# Altium PCB TinyHawk_PCB.PcbDoc (part 2 of 6) (continued)
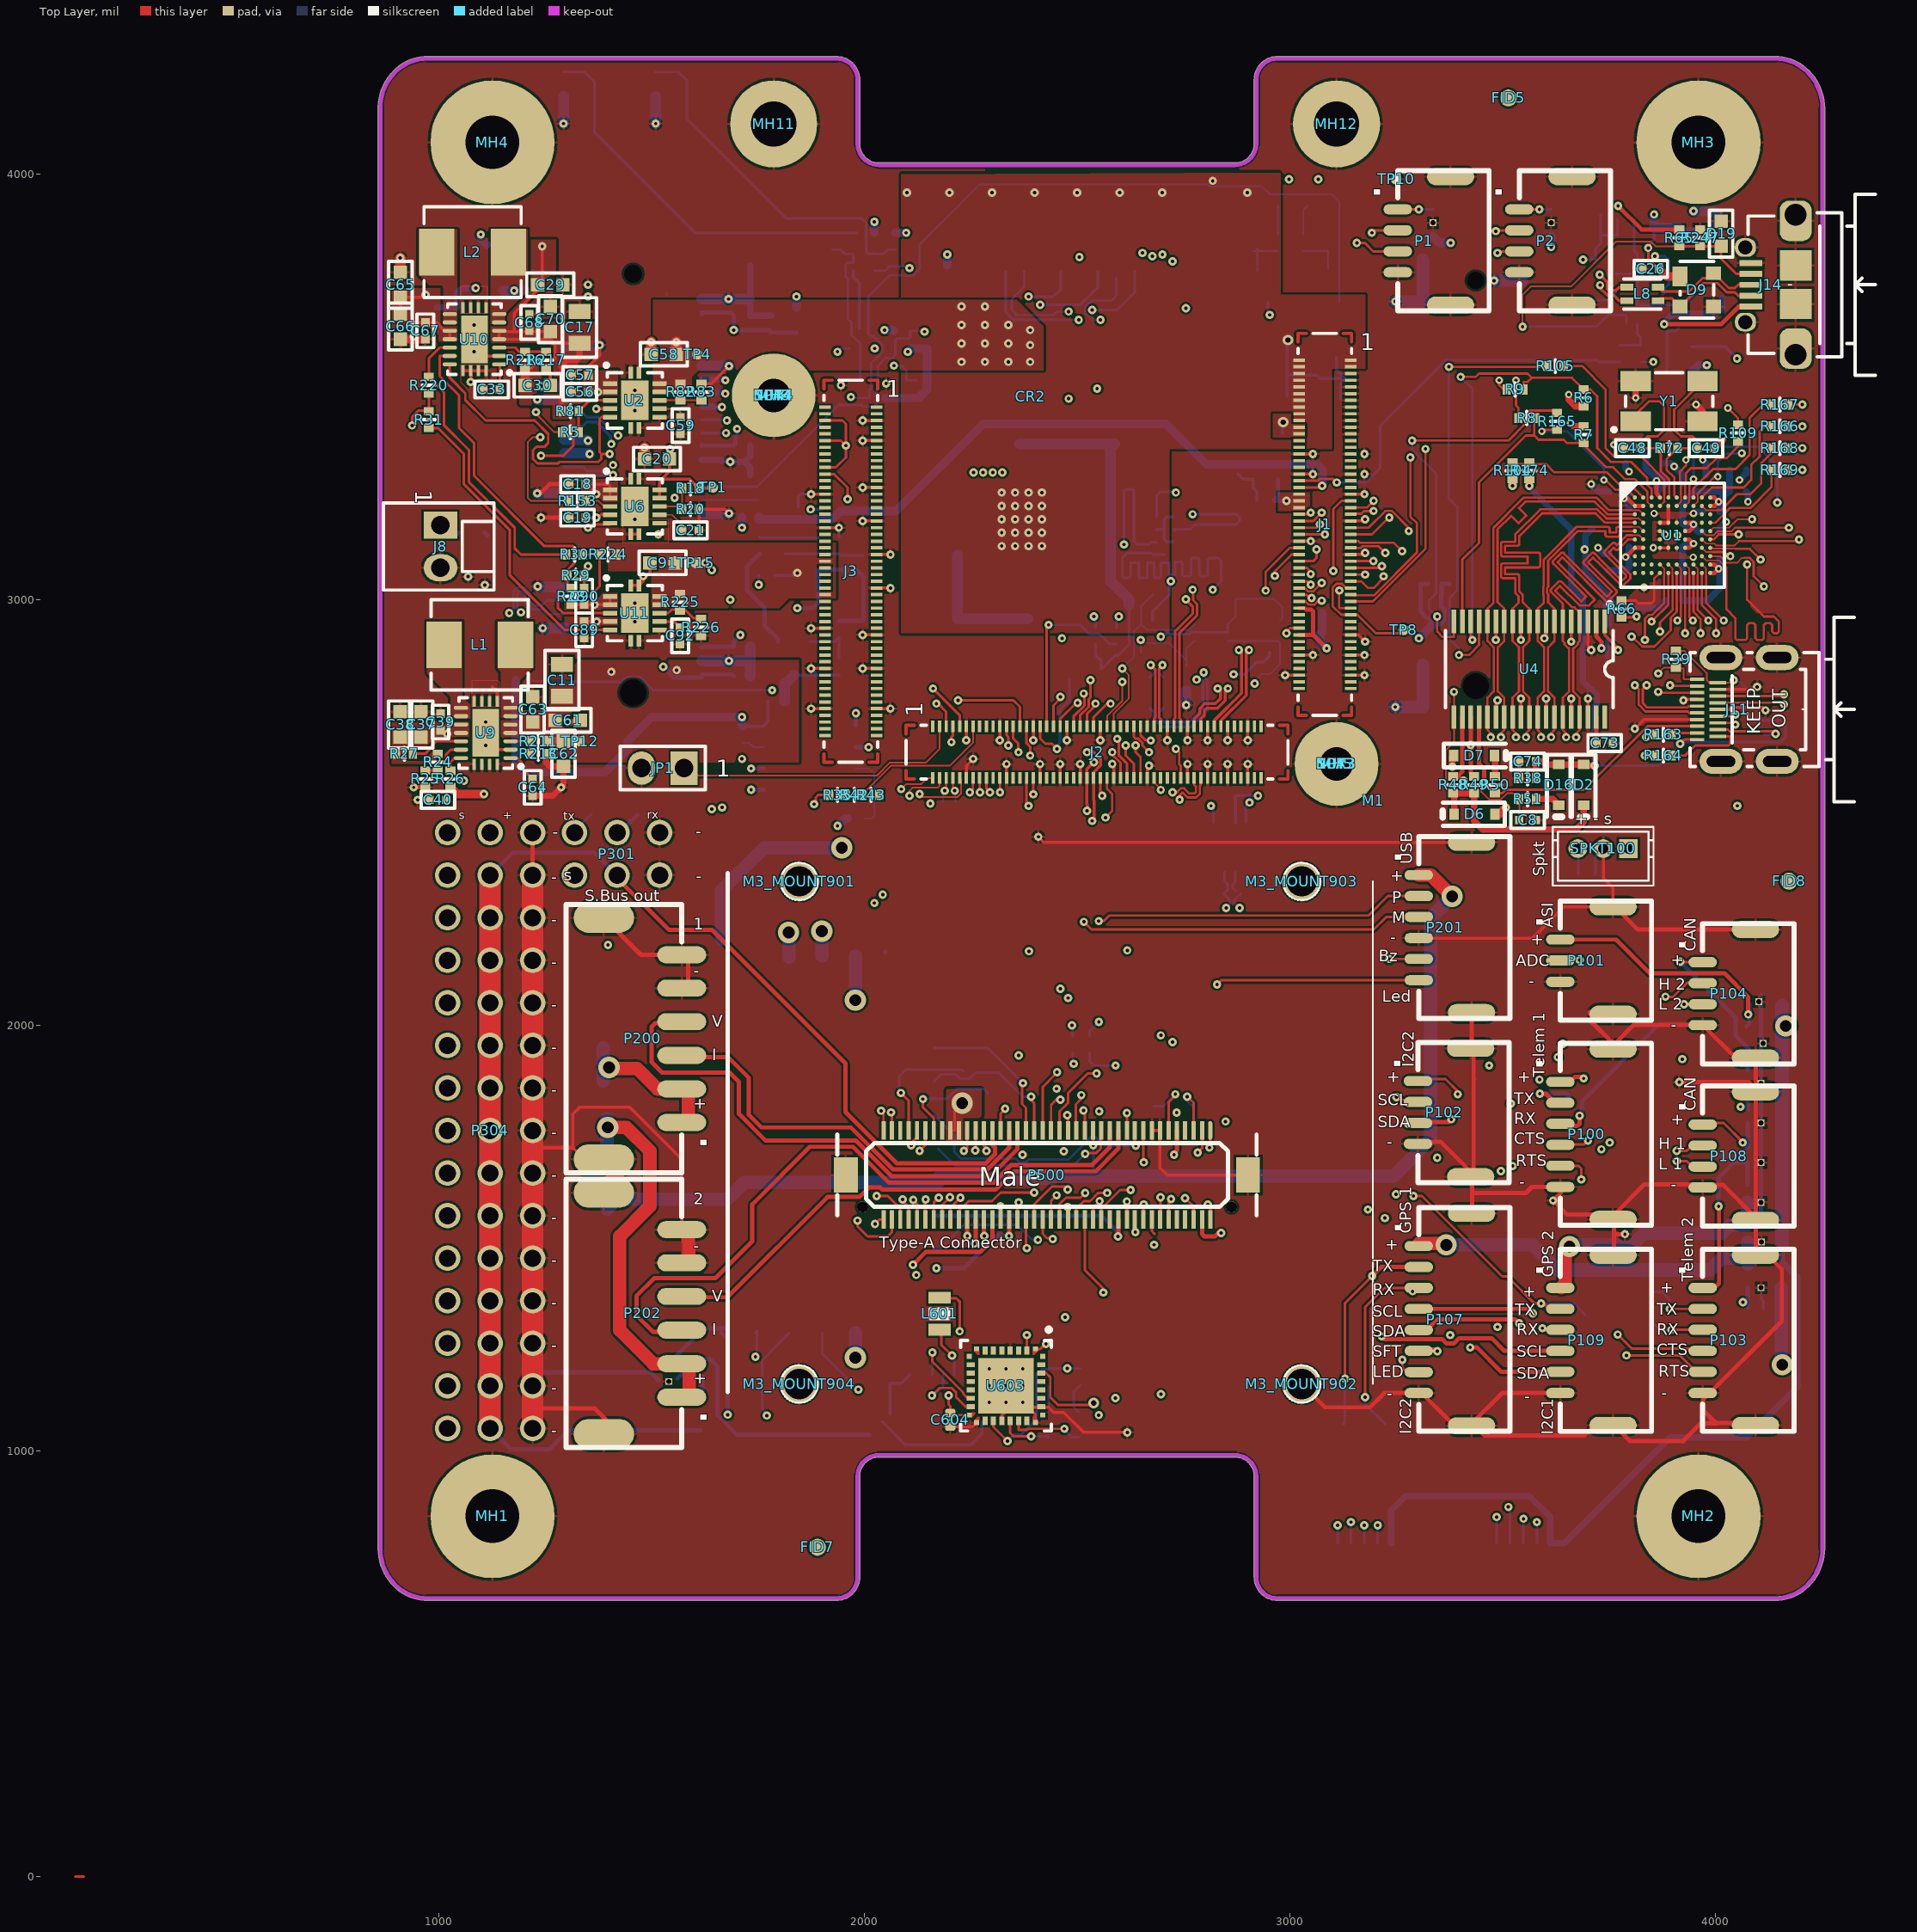
[diagram p0: Top Layer view]
## Nets (pads, with @x,y where several pads share a name; then routed paths per layer and width w, separated by ;. In a path a pad name is that pad's centre, name@x,y a point inside that pad or via, vN(x,y) a via of type N, cw(c..) or ccw(c..) an arc to the next point about the centre after c; other vN are vias at no path point) (continued)
+3V0_ALWAYS_TP: J1.69 J1.77 TP8.1 | length 290.1
  Top Layer w5.4: J1.69@3142.91,3027.56 3131.77,3027.56 3131.77,3028.18 3122.66,3037.28 3109.79,3037.28 3100.68,3028.18 3100.68,2985.26 3121.38,2964.57 J1.77@3142.91,2964.57 3159.12,2964.57 3202.43,2921.26 3259.84,2921.26 TP8.1@3267.72,2929.13
+3V3: C12.1 C13.1 C17.1 C29.1 C30.1 C68.1 C70.1 C158.1 C171.1 C176.1 C185.1 C203.1 C231.1 C3004.P$1 D5.2 D7.2 D14.2 FB4.2 FB8.2 FB9.1 J1.22 J1.24 J1.42 J1.44 J1.46 J15.4 L4.P$1 L7.P$1 Q6.5 Q8.2 R6.2 R7.2 R10.2 R11.2 R12.2 R13.2 R37.2 R54.2 R65.2 R70.2 R81.2 R117.2 R140.2 R147.2 R201.2 R204.1 R206.2 R216.2 TP13.1 U8.8 U10.4 U10.5 U20.5 U21.5 U3004.3 | length 4414.2
  Top Layer w7.09: 1177.17,3631.89 1177.17,3673.23 1244.09,3740.16 1243.06,3741.19 v1(1243.06,3830.22) 1243.06,3753 1244.09,3751.97 C29.1@1232.28,3740.16 ; R216.2@1202.76,3543.31 1216.95,3543.31 1236.24,3562.6 1266.91,3562.6 1273.23,3568.92 1273.23,3600.79 1271.78,3602.24 ; C70.1@1261.81,3629.92 1143.7,3629.92 U10.5@1141.73,3631.89 U10.4@1141.73,3612.2 1261.81,3612.2 1271.78,3602.24 ; C17.1@1330.71,3602.36 1330.58,3602.24 1271.78,3602.24
  Top Layer w10: 1287.4,3551.18 1288.46,3550.12 1288.46,3482.61 1287.4,3481.55 1287.4,3444.88 R81.2@1289.17,3443.12 ; v1(3771.65,3925.2) 3826.77,3870.08 R65.2@3915.35,3870.08
  Top Layer w15: 1287.4,3551.18 1299.21,3562.99 1322.83,3562.99 1330.71,3570.87 C17.1@1330.71,3602.36 ; R81.2@1289.17,3443.12 R81.2@1289.37,3442.91 ; v1(3381.89,2607.33) 3381.89,2630.68 D7.2@3385.07,2633.86
  Top Layer w15.75: v2(3655.51,3482.28) 3655.51,3470.47 3671.26,3454.72 R6.2@3690.94,3454.72 ; v2(3659.45,3415.35) 3667.32,3407.48 R7.2@3690.94,3407.48
  Top Layer w20: C30.1@1202.76,3503.94 R216.2@1202.76,3543.31
  Signal Layer 1 w30: v1(3303.14,2909.44) 3330.71,2881.88 3330.71,2658.51 v1(3381.89,2607.33)
  Power w20: 1712.6,2704.72 v1(1712.6,2724.41) ; 2092.36,3580.54 2094.49,3582.68 v1(2102.36,3582.68) ; v1(3377.95,3838.58) v1@3378.73,3837.8
  Bottom Layer w7.09: R204.1@1714.57,2702.76 1762.99,2702.76 U8.8@1763.78,2703.54 1773.62,2713.39 C203.1@1773.62,2761.81 ; v1(2539.36,2960.62) 2543.31,2956.68 R201.2@2543.31,2935.04 ; Q8.2@2677.17,2950.79 2677.17,2972.44 R54.2@2716.54,3011.81 2716.54,3039.37 v1(2720.47,3043.31) ; v1(2868.11,2824.8) R70.2@2893.7,2824.8 2922.13,2853.24 2937.43,2853.24 2951.85,2867.66 Q6.5@2951.85,2875.98 ; U3004.3@2872.05,2476.35 2872.05,2533.46 C3004.P$1@2870.08,2535.43 2874.65,2540.01 2924.56,2540.01 v1(2925.2,2539.37) ; C12.1@2982.28,3391.73 2982.28,3415.35 v5(2984.25,3417.32)
  Bottom Layer w10: C231.1@2972.44,3283.46 2972.44,3244.09 C13.1@2962.6,3234.25 2964.57,3232.28 v1(2992.13,3232.28) ; R13.2@3326.77,3037.4 3306.96,3037.4 3306.96,2972.44 3308.2,2972.44 3337.85,2942.79 3353.85,2942.79 3364.3,2953.24 3364.3,2976.13 3356.17,2984.25 3356.17,3011.19 3357.16,3012.17 3357.16,3037.4 R12.2@3375.98,3037.4
  Bottom Layer w15: TP13.1@994.09,3687.01 FB9.1@1043.31,3687.01 1043.31,3720.47 1055.12,3732.28 v1(1086.61,3732.28)
  Bottom Layer w15.75: FB8.2@3710.63,3167.32 3694.88,3151.57 3694.88,3062.99 C185.1@3744.09,3013.78 C185.1@3744.09,3008.39 ; C185.1@3746.06,3006.42 3771.14,2981.35 3867.17,2981.35 FB4.2@3883.86,2998.03
  Bottom Layer w20: R37.2@1181.1,2811.02 1181.1,2618.11 1204.72,2594.49 1389.76,2594.49 1444.88,2649.61 1444.88,2669.29 1500,2724.41 v1(1712.6,2724.41) 1712.6,2704.72 R204.1@1714.57,2702.76 ; v1(1712.6,3169.29) R10.2@1712.6,3194.88 ; v1(1937.01,2468.5) 1954.72,2486.22 R206.2@1960.63,2486.22 ; R140.2@2023.62,3862.2 v1(2023.62,3887.8) ; v1(2047.24,3633.86) 2066.93,3633.86 C171.1@2068.9,3631.89 ; R117.2@2049.21,3474.41 2127.81,3474.41 2147.8,3494.4 2147.8,3590.55 2110.24,3590.55 v1(2102.36,3582.68) ; R147.2@2072.83,3862.2 v1(2098.43,3862.2) ; C158.1@2194.88,3785.43 v1(2194.88,3811.02) ; 3320.46,2926.76 v1(3303.14,2909.44) 3304.51,2909.44 3334.92,2939.86 ; L4.P$1@3336.61,3854.33 3352.36,3838.58 v1(3377.95,3838.58) ; v1(3614.17,3828.74) L7.P$1@3614.17,3854.33 ; C185.1@3744.09,3008.39 3746.06,3006.42 R11.2@3746.06,2942.91
  other v1: 3692.91,3118.11 2024.37,3590.42 2505.51,3805.12 2998.03,3988.19 3066.93,3988.19
+3V3_DVDDIO: C47.1 C50.1 C52.2 C53.2 C54.2 FB4.1 U1.F7 U1.G7 U1.J10 U1.K10 | length 420.4
  Top Layer w9.84: U1.G7@3929.13,3122.05 3938.98,3122.05 v2(3948.82,3131.89) 3938.98,3141.73 U1.F7@3929.13,3141.73 ; U1.K10@3988.19,3062.99 3998.03,3062.99 v2(4007.87,3072.84) 3998.03,3082.68 U1.J10@3988.19,3082.68
  Bottom Layer w15.75: v2(3948.82,3131.89) 3931.1,3131.89 C50.1@3923.23,3124.02 C54.2@3923.23,3045.28 FB4.1@3923.23,2998.03 3982.28,2998.03 4009.84,3025.59 C52.2@4009.84,3049.21 4009.84,3070.87 v2(4007.87,3072.84) 4009.84,3074.8 C47.1@4009.84,3096.46
+3V3_HDMI_IN: C72.1 R11.1 U4.2 | length 121.8
  Top Layer w10: U4.2@3720.47,2948.82 3720.47,2913.39 3732.28,2901.57 v1(3732.28,2885.83)
  Bottom Layer w10: v1(3732.28,2885.83) 3744.09,2885.83 3746.06,2883.86 ; C72.1@3746.06,2864.17 3746.06,2883.86 ; R11.1@3746.06,2903.54 3746.06,2883.86
+3V3_MPCIE: C257.1 C258.1 C263.1 C264.1 C265.1 C266.1 C267.1 C268.1 FB9.2 J13.2 J13.24 J13.39 J13.41 J13.52 | length 211.2
  Signal Layer 1 w10: v1(1527.56,2842.52) v1@1533.59,2848.55 ; v1@1551.18,3242.67 v1(1554.21,3239.63)
  Bottom Layer w4: 1535.43,3716.54 1535.43,3720.47
  Bottom Layer w10: v1(1527.56,2842.52) 1531.5,2846.46 1541.21,2836.74 1541.21,2827.26 1551.66,2816.8 1618.11,2816.8 J13.2@1618.11,2824.8 1688.98,2824.8 C264.1@1692.91,2820.87
+3V3_TVDD: C183.1 C184.1 C187.2 C188.2 FB8.1 U1.B1 U1.B2 | length 109.6
  Top Layer w9.84: v2(3785.43,3238.19) 3793.31,3238.19 U1.B1@3811.02,3220.47 U1.B2@3830.71,3220.47
  Bottom Layer w15.75: C183.1@3797.24,3214.57 3797.24,3226.38 v2(3785.43,3238.19) 3797.24,3250 C184.1@3797.24,3261.81
+5V: C11.1 C15.1 C16.1 C40.1 C61.1 C62.1 C63.1 C71.1 D6.2 FB6.1 FB7.1 FB24.1 J1.76 J1.84 R26.2 R104.1 R211.2 TP12.1 U4.1 U9.4 U9.5 | length 722
  Top Layer w7.09: C40.1@1017.4,2529.85 1017.4,2549.54 R26.2@1027.24,2559.38 ; U4.1@3740.16,2948.82 3740.16,2917.32 3771.65,2885.83 v1(3771.65,2881.89)
  Top Layer w10: J1.84@3021.65,2917.32 3055.12,2917.32 ; J1.76@3021.65,2980.32 3034.94,2980.32 3038.87,2976.38 3051.18,2976.38 3055.12,2972.44 3055.12,2917.32 ; v1(3086.61,2885.83) 3055.12,2917.32
  Top Layer w20: R26.2@1027.24,2559.38 1043.32,2543.31 v1(1106.3,2543.31) ; R211.2@1253.62,2667.65 C62.1@1292.99,2667.65 ; D6.2@3482.28,2496.06 3492.13,2496.06 v1(3507.87,2511.81) ; v1(3523.62,3267.72) R104.1@3523.62,3283.46
  Power w20: v1(1559.06,2834.65) v1@1560.25,2833.45
  Bottom Layer w20: v1(1098.43,3858.27) 1098.43,3848.43 FB7.1@1112.2,3834.65 ; C16.1@3076.61,2969.1 3076.61,2925.04 C15.1@3070.87,2919.29 3070.87,2901.57 v1(3086.61,2885.83) ; FB6.1@3944.88,3535.43 3960.62,3551.17 v1(3980.31,3551.17)
  Bottom Layer w25: v1(3948.82,3913.39) 3996.06,3913.39 4005.91,3903.54 FB24.1@4005.91,3864.17
  other v1: 1405.51,2830.71
+5V_FTDI: R55.2
+5V_HDMI_IN_CON: C74.1 D2.2 D16.2 J11.19 R38.2 R40.2 R174.1 | length 1572.4
  Top Layer w6: v1(3917.32,2661.42) 3927.17,2671.26 J11.19@3957.68,2671.26
  Top Layer w15: v1(3562.99,3267.72) R174.1@3562.99,3283.46 ; R38.2@3578.74,2580.71 C74.1@3578.74,2620.08 3596.46,2620.08 3603.57,2612.96 D16.2@3631.89,2612.96 D2.2@3690.94,2612.96 3693.67,2610.24 v1(3716.54,2610.24)
  Bottom Layer w6: v1(3716.54,2610.24) 3866.14,2610.24 v1(3917.32,2661.42) 3921.17,2665.26 4153.45,2665.26 4165.35,2677.17 4165.35,2704.72 4153.54,2716.54 4090.55,2716.54 R40.2@4074.8,2732.28
  Bottom Layer w15: v1(3562.99,3267.72) 3562.99,3263.78 3661.42,3165.35 3661.42,3029.46 3688.31,3002.57 3688.31,2808.96 3721.13,2776.14 3721.13,2754.7 3716.54,2750.1 v1(3716.54,2610.24)
+5V_HDMI_IN_I2C: D2.1 D6.1 R48.2 R49.2 | length 476.6
  Top Layer w15: D6.1@3386.28,2496.06 3386.28,2542.85 R48.2@3383.86,2545.28 R49.2@3433.07,2545.28 3433.07,2480.32 3453.08,2460.3 3672.9,2460.3 3690.94,2478.35 D2.1@3690.94,2516.96
+5V_MPCIE: C60.1 C69.1 FB7.2 J13.49 J13.51 | length 0
+5V_USB_OTG: C26.1 C106.1 D9.1 FB24.2 J14.1 Q2.3 | length 697.2
  Top Layer w6: v1(3842.51,3826.76) 3842.43,3826.68 3842.43,3800.52 3865.39,3777.56 C26.1@3868.11,3777.56
  Top Layer w10: v1(3879.9,3647.52) 4013.67,3647.52 4055.12,3688.98 J14.1@4083.66,3688.98
  Top Layer w20: C26.1@3868.11,3777.56 3885.83,3759.84 D9.1@3917.32,3759.84
  Bottom Layer w6: v1(3842.51,3826.76) 3842.51,3832.67 3856.3,3846.46 Q2.3@3856.3,3874.02 Q2.3@3856.3,3889.76
  Bottom Layer w14: v1(3879.9,3647.52) 3879.9,3651.92 3901.21,3673.23 4003.94,3673.23 4015.75,3685.04 C106.1@4015.75,3708.66
  Bottom Layer w20: Q2.3@3856.3,3889.76 v1(3856.3,3905.51)
  Bottom Layer w25: Q2.3@3856.3,3874.02 3913.39,3874.02 3925.2,3862.2 3944.88,3862.2 FB24.2@3946.85,3864.17
+5V_USB_OTG_B: FB6.2 FB12.2 Q1.3 | length 126.3
  Bottom Layer w6: FB6.2@3885.83,3535.43 FB12.2@3885.83,3594.49 3885.83,3631.68 3907.27,3631.68 Q1.3@3913.39,3637.8
+5V_USB_OTG_Q: C230.2 Q1.2 Q2.2 R214.2 U16.5 | length 397.4
  Bottom Layer w6: C230.2@3765.75,3765.75 3816.93,3765.75 ; R214.2@3809.06,3893.7 3809.06,3820.87 3816.93,3812.99 3816.93,3765.75 ; Q1.2@3950.79,3716.54 3927.07,3692.82 3819.67,3692.82 3816.93,3695.56 U16.5@3816.93,3722.44 3816.93,3765.75
+V_INPUT: C10.1 C79.1 J8.1 Q7.1 Q7.2 Q7.3 Q10.2 R100.2 R292.2 | length 463.7
  Bottom Layer w10: J8.1@1000,3149.21 1038.98,3149.21 1047.24,3157.48 ; C10.1@1108.27,3157.48 C10.1@1114.3,3151.45 ; v1(1842.52,2980.32) R100.2@1879.92,2980.32 1891.73,2992.13 Q10.2@1891.73,3070.87 1981.69,3070.87 Q7.3@1998.03,3054.53 Q7.2@1998.03,3004.53 Q7.1@1998.03,2954.53 1994.29,2950.79 R292.2@1940.94,2950.79
  other v1: 1685.04,3000
"+VCC FTDI": C605.P$1 L601.P$2 R607.P$2 R608.P$2 U603.19 | length 792.5
  Top Layer w5.91: L601.P$2@2177,1360 2178.73,1358.27 2216.54,1358.27 2224,1350.8 v1(2224,1281) ; U603.19@2303.47,1070.32 2303.47,1056.28 v1(2336.62,1023.13)
  Signal Layer 2 w10: v1(2336.62,1023.13) v1@2338.76,1021
  Signal Layer 1 w5.91: v1(2224,1281) 2224,1135.76 v1(2336.62,1023.13)
  Bottom Layer w5.91: v1(2336.62,1023.13) 2351.74,1038.25 C605.P$1@2356,1038.25 2368.96,1038.25 2405.51,1074.8 2405.51,1181.1 2416.41,1192 R608.P$2@2433,1192 2435,1194 v1(2477,1194) R607.P$2@2507,1194
+VIN: C1.1 C2.1 C3.1 C4.1 C5.1 C6.1 C7.1 C18.1 C19.1 C37.1 C38.1 C39.1 C56.1 C57.1 C65.1 C66.1 C67.1 C89.1 C90.1 C381.1 D1.3 FB12.1 J1.1 J1.2 J1.3 J1.4 J1.6 J1.8 J1.10 J1.12 J1.14 J1.16 J1.18 J1.20 R24.2 R27.2 R28.2 TP9.1 U2.1 U2.2 U2.4 U6.1 U6.2 U6.4 U9.10 U9.11 U10.10 U10.11 U11.1 U11.2 U11.4 | length 1139.4
  Top Layer w7.09: v1(968.5,3716.54) 962.6,3710.63 C65.1@909.45,3710.63 C66.1@909.45,3671.26 929.13,3651.57 C67.1@968.5,3651.57 995.59,3651.57 999.41,3647.75 999.41,3645.7 1013.22,3631.89 U10.10@1025.59,3631.89 U10.11@1025.59,3612.2 ; R28.2@1312.01,2988.19 C90.1@1341.54,2988.19 v1(1366.14,2988.19) U11.2@1402.56,2988.19 U11.1@1402.56,3007.87 ; C89.1@1341.54,2948.82 v1(1371.06,2948.82) U11.4@1402.56,2948.82 ; C19.1@1345.47,3192.91 v1(1370.08,3192.91) 1374.02,3192.91 1381.89,3200.79 1401.42,3200.79 U6.4@1402.64,3199.57 ; C18.1@1345.47,3271.65 C18.1@1346.46,3271.65 ; v1(1370.08,3248.03) C18.1@1346.46,3271.65 ; v1(1370.08,3448.82) U2.4@1402.56,3448.82 ; U6.2@1402.64,3238.94 U6.1@1402.64,3258.62 1401.57,3259.69 1401.57,3267.72 1397.64,3271.65 C18.1@1346.46,3271.65
  Bottom Layer w7.09: C6.1@2994.09,3478.35 C1.1@2994.09,3527.56 ; v5(2996.06,3610.23) 2994.09,3608.27 C7.1@2994.09,3576.77 C1.1@2994.09,3527.56 ; C5.1@3110.24,3568.9 3110.24,3539.37 C2.1@3129.92,3519.69 ; C4.1@3120.08,3470.47 3120.08,3509.84 C2.1@3129.92,3519.69 ; FB12.1@3944.88,3594.49 4023.62,3594.49 v1(4051.18,3566.93) ; C1.1@2994.09,3527.56 3062.99,3527.56 C3.1@3070.87,3519.68 C2.1@3129.92,3519.69
  other v1: 1019.68,2685.04 2322.83,3125.98 2354.33,3125.98 2385.83,3125.98 2417.32,3125.98 2322.83,3157.48 2354.33,3157.48 2385.83,3157.48 2417.32,3157.48 2322.83,3188.98 2354.33,3188.98 2385.83,3188.98 2417.32,3188.98 2322.83,3220.47 2354.33,3220.47 2385.83,3220.47 2417.32,3220.47 2322.83,3251.97 2354.33,3251.97 2385.83,3251.97 2417.32,3251.97 1374.02,3488.19 2100,3956.69 2200,3956.69 2300,3956.69 2400,3956.69 2500,3956.69 2600,3956.69 2700,3956.69 2900,3956.69 2818.9,3984.25
+VIN_D: D1.1 D1.2 Q7.5 Q7.6 Q7.7 Q7.8 | length 316.1
  Bottom Layer w25: Q7.5@2218.5,3104.53 Q7.6@2218.5,3054.53 Q7.7@2218.5,3004.53 Q7.8@2218.5,2954.53 2218.9,2954.92 D1.2@2300.59,2954.92 D1.1@2384.45,2954.92
ALARM: P500.24 PSM200.ALARM | length 500.6
  Top Layer w10: v1(2596,1504) 2597,1505 P500.24@2597,1543.67
  Bottom Layer w10: PSM200.ALARM@2163.7,1552 2558,1552 2599,1511 2599,1507 v1(2596,1504)
AUD4_CLK_R: R167.1 U1.A8 | length 336.7
  Top Layer w5.4: U1.A8@3948.82,3240.16 3948.82,3261.28 3994.83,3307.28 4047.44,3307.28 4080.71,3340.55 4080.71,3427.17 4112.2,3458.66 R167.1@4131.89,3458.66
AUD4_RXD_R: R169.1 U1.D10 | length 218.7
  Top Layer w3.94: U1.D10@3988.19,3181.1 4000,3181.1
  Top Layer w5.4: 4000,3181.1 4034.65,3215.76 4082.8,3215.76 4131.89,3264.84 R169.1@4131.89,3305.12
AUD4_TXC_R: R166.1 U1.A9 | length 288
  Top Layer w5.4: U1.A9@3968.5,3240.16 3991.93,3263.58 4066.73,3263.58 4084.65,3281.5 4084.65,3316.93 4104.33,3336.61 4104.33,3395.67 4116.14,3407.48 R166.1@4131.89,3407.48
AUD4_TXFS_R: R168.1 U1.B9 | length 262.4
  Top Layer w3.94: U1.B9@3968.5,3220.47 3978.35,3210.63 4005.91,3210.63
  Top Layer w5.4: 4005.91,3210.63 4013.78,3210.63 4051.38,3248.23 4082.87,3248.23 4108.27,3273.62 4108.27,3320.87 4131.89,3344.49 R168.1@4131.89,3356.3
AUX_BATT_CURRENT_SENS: P202.3 P500.25 | length 1615.9
  Top Layer w10: P202.3@1574,1282.63 P202.3@1588.28,1282.63 ; P202.3@1587.28,1279.53 1503.94,1279.53 1464.57,1318.9 1464.57,1363.94 1506.14,1405.51 1649.61,1405.51 1736.84,1492.75 1736.84,1579.36 1871.98,1714.5 1973.7,1714.5 2058.28,1629.92 2303.62,1629.92 2345.65,1671.95 2535.57,1671.95 2577,1713.38 P500.25@2577,1753
AUX_BATT_VOLTAGE_SENS: P202.4 P500.23 | length 1201.4
  Top Layer w10: P202.4@1587.28,1361 1678,1361 1913.5,1596.5 1988.7,1596.5 2011.04,1618.84 2037.22,1618.84 2042.22,1613.84 2308.76,1613.84 2351.87,1656.95 2543.95,1656.95 2597,1710 P500.23@2597,1753
BATT_CURRENT_SENS_PROT: P200.3 P500.49 | length 976.4
  Top Layer w10: P200.3@1586.28,1925.63 1679.37,1925.63 1728,1877 1728,1790.21 1758.21,1760 1968.5,1760 2067.09,1661.42 2289.86,1661.42 2340.42,1711.97 P500.49@2340.42,1753
BATT_VOLTAGE_SENS_PROT: P200.4 P500.47 | length 1259.8
  Top Layer w10: P200.4@1588.28,2005 1508.94,2005 1500,1996.06 1500,1913.39 1524.39,1889 1683,1889 1705,1867 1705,1792 1767.5,1729.5 1979.91,1729.5 2063.75,1645.67 2296.69,1645.67 2354.16,1703.14 2354.16,1703.39 2360.1,1709.34 P500.47@2360.1,1753
BUZZER_OUT: P201.5 PSM200.BUZZER_OUT | length 1807.3
  Top Layer w5.91: v1(3233.68,2156) P201.5@3303.15,2156
  Signal Layer 2 w5.91: v1(2408,1496) 2459.61,1547.61 3223.07,1547.61 v1(3223.68,1547)
  Signal Layer 1 w5.91: v1(3223.68,1547) 3223.68,1557.58 3217.68,1563.58 3217.68,1668.42 3223.68,1674.42 3223.68,2146 v1(3233.68,2156)
  Bottom Layer w5.91: PSM200.BUZZER_OUT@2163.7,1474 2164.13,1474.43 2177.43,1474.43 2234,1531 2359,1531 2394,1496 v1(2408,1496)
CAN_H_1: P108.2 P500.79 R3010.P$1 U3004.7 | length 3499.9
  Top Layer w5.91: v1(2039.37,1799.21) 2045.14,1793.44 P500.79@2045.14,1753 ; v1(3909.45,1704.72) 3933.07,1704.72 3945.87,1717.52 P108.2@3970.47,1717.52
  Signal Layer 2 w5.91: v1(2023.62,2287.4) 2027.51,2283.51 2695.52,2283.51 2703.47,2275.56 v1(2850.39,2275.59) ; v1(2039.37,1799.21) 2039.37,1801.4 2055.91,1817.94 2078.78,1817.94 2234.52,1662.2 3347.12,1662.2 3377.91,1692.99 3725.62,1692.99 3725.74,1692.87 3897.59,1692.87 v1(3909.45,1704.72)
  Signal Layer 1 w5.91: v1(2023.62,2287.4) 2023.62,1827.57 v1@2045.67,1805.51
  Bottom Layer w5.91: U3004.7@2846.46,2360.21 2846.46,2338.58 2854.33,2330.71 2854.33,2318.9 R3010.P$1@2844.49,2309.06 2858.27,2295.28 2858.27,2283.47 v1(2850.39,2275.59)
CAN_H_2: P104.2 P500.41 | length 1932.7
  Top Layer w5.91: P500.41@2419.16,1753 2419.16,1855.16 2453,1889 v1(2453,1890) ; v1(3882.79,2067.25) 3883.59,2066.45 3900.46,2066.45 3934.46,2100.45 3969.5,2100.45 P104.2@3970.9,2099.05
  Signal Layer 2 w5.91: v1(2461,2086) 2482.17,2086 2488.46,2079.71 3166.38,2079.71 3230.34,2015.75 3816.54,2015.75 3847.83,2047.05 ; 3847.83,2047.3 3869.79,2069.25 v1@3882.79,2069.25
  Signal Layer 1 w5.91: v1(2453,1890) 2453,2086 2455,2088 2459,2088 v1(2461,2086)
CAN_L_1: P108.3 P500.77 R3010.P$2 U3004.6 | length 3509.9
  Top Layer w5.91: P500.77@2064.83,1753 v1@2064.83,1799.02 ; v1(3909.45,1681.1) 3932.81,1681.1 3939.46,1674.45 P108.3@3970.9,1674.45
  Signal Layer 2 w5.91: v1@2039.37,2299.21 2047.24,2307.09 2850.39,2307.09 v1(2881.89,2275.59) ; v1(2062.99,1795.28) 2090.27,1795.28 2231.24,1654.3 3350.4,1654.3 3381.18,1685.08 3722.34,1685.08 3722.47,1684.96 3905.59,1684.96 v1(3909.45,1681.1)
  Signal Layer 1 w5.91: v1(2043.3,2307.08) 2042.35,2306.13 2042.35,2277.33 2035.43,2270.41 2035.43,1830.71 2062.99,1803.15 v1(2062.99,1795.28)
  Bottom Layer w5.91: U3004.6@2872.05,2360.21 2872.05,2336.61 2866.14,2330.71 2866.14,2322.83 2874.02,2314.96 ; v1(2881.89,2275.59) 2870.08,2287.4 2870.08,2294.96 R3010.P$2@2884.17,2309.06
CAN_L_2: P104.3 P500.39 | length 1872.4
  Top Layer w5.91: P500.39@2439,1753 2439,1813 2451,1825 v1(2461,1825) ; v1@3929.46,2052.45 3932.46,2049.45 P104.3@3970.9,2049.45
  Signal Layer 2 w5.91: v1(2479,2064) 2484.24,2058.76 3165.11,2058.76 3225.86,1998.02 3874.48,1998.02 3912.61,2036.14 ; 3912.61,2035.59 v1(3926.46,2049.45)
  Signal Layer 1 w5.91: v1(2461,1825) 2470.39,1834.39 2470.39,1846.41 2470.8,1846.81 2470.8,2049.8 2479,2058 v1(2479,2064)
CPU_GPIO0: R43.2
CPU_GPIO0_R: J2.13 R42.1 R43.1 | length 336.4
  Top Layer w4: R43.1@2003.94,2551.18 2062.99,2610.24 2201.31,2610.24 2255.51,2664.44 J2.13@2255.51,2702.36
CPU_GPIO1: J2.15
CPU_GPIO2: J3.50
CPU_GPIO3: J3.56
CPU_GPIO4: J3.60
CPU_GPIO5: J3.62
CPU_GPIO6: J3.64
CPU_GPIO7: J3.66
CSI1_PIXCLK: J3.22 R35.1 | length 937.7
  Top Layer w6: v1(1881.89,2519.68) 1885.83,2523.62 1885.83,2535.43 1891.73,2541.34 R35.1@1917.32,2541.34 ; J3.22@1907.48,3295.28 1929.13,3295.28 1960.63,3263.78 v1(1960.63,3236.22)
  Signal Layer 1 w6: v1(1881.89,2519.68) 1889.76,2511.81 1937.01,2511.81 1960.63,2535.43 v1(1960.63,3236.22)
CSPI1_CLK: J2.23 U8.6 | length 703.7
  Top Layer w6: J2.23@2334.25,2702.36 2334.65,2701.97 2334.65,2681.1 2338.58,2677.17 v1(2338.58,2657.48)
  Signal Layer 2 w6: v1(1733.86,2603.54) 1740.46,2610.14 2291.24,2610.14 v1(2338.58,2657.48)
  Bottom Layer w10: v1(1733.86,2603.54) U8.6@1763.78,2603.54
CSPI1_CS0: J2.29 U8.1 | length 625.8
  Top Layer w6: J2.29@2381.5,2702.36 2381.4,2702.36 2381.4,2663.12 2389.76,2654.76 v1(2389.76,2633.86)
  Signal Layer 2 w6: v1(1980.32,2733.46) 1985.53,2728.25 2177.07,2728.25 2200.79,2751.97 2200.79,2771.65 2212.6,2783.46 2267.23,2783.46 2381.4,2669.29 2381.4,2642.22 v1(2389.76,2633.86)
  Bottom Layer w10: U8.1@1980.32,2703.54 v1(1980.32,2733.46)
CSPI1_MISO: J2.27 U8.2 | length 495
  Top Layer w6: v1(2220.47,2763.78) 2350.39,2763.78 2365.75,2748.42 J2.27@2365.75,2702.36
  Signal Layer 2 w6: v1(2010.24,2653.54) 2129.92,2653.54 2220.47,2744.09 v1(2220.47,2763.78)
  Bottom Layer w10: U8.2@1980.32,2653.54 v1(2010.24,2653.54)
CSPI1_MOSI: J2.25 U8.5 | length 877.8
  Top Layer w6: J2.25@2350,2702.36 2350,2673.62 2362.2,2661.42 v1(2362.2,2641.73)
  Signal Layer 2 w6: v1(1712.6,2625.98) 1720.47,2633.86 2229.56,2633.86 2281.23,2685.53 2332.94,2685.53 2354.43,2664.04 2354.43,2649.51 v1(2362.2,2641.73)
  Signal Layer 1 w6: v1(1712.6,2625.98) 1712.6,2574.8 v1(1733.86,2553.54)
  Bottom Layer w10: v1(1733.86,2553.54) U8.5@1763.78,2553.54
CSPI2_CLK: J3.70
CSPI2_CS0: J3.76
CSPI2_CS1: J3.78
CSPI2_MISO: J3.74
CSPI2_MOSI: J3.72
E\X\T\E\R\N\_\C\S\: P500.5 SPI!CS1.P$1 | length 114.2
  Top Layer w5.91: v1(2759,1832) 2760,1832 2774,1818 P500.5@2774,1753
  Bottom Layer w5.91: v1(2759,1832) 2759,1822 SPI!CS1.P$1@2772,1809
EN_2V5: R31.2 U11.5 | length 726.5
  Top Layer w6: R31.2@976.38,3403.54 998.03,3403.54 1059.01,3342.57 1059.01,3271.53 1166.39,3164.15 1166.39,3058.02 1295.28,2929.13 U11.5@1402.56,2929.13
EN_3V3: R30.2 R220.2 U10.12 | length 716.4
  Top Layer w5.91: R220.2@976.38,3523.62 1011.81,3488.19 1011.81,3410.53 1070.87,3351.47 1070.87,3276.44 1178.24,3169.06 1178.24,3120.97 1192.91,3106.3 R30.2@1299.21,3106.3
  Top Layer w6: R220.2@976.38,3523.62 976.38,3566.93 1001.97,3592.52 U10.12@1025.59,3592.52
EN_5V: R27.1 U9.12 | length 127.5
  Top Layer w6: R27.1@938.66,2638.12 968.06,2638.12 977.91,2647.96 977.91,2651.27 993.95,2667.32 U9.12@1052.17,2667.32
EXTERN_DRDY: D_RDY1.P$1 P500.11 | length 154.2
  Top Layer w5.91: P500.11@2715,1753 2715,1819 2731,1835 v1(2731,1838)
  Bottom Layer w5.91: D_RDY1.P$1@2680,1810 2703,1810 v1(2731,1838)
F\M\U\-\L\E\D\_\A\M\B\E\R\: P201.6 P500.2 | length 1043.7
  Top Layer w6: v1(2807.09,1578.74) 2813,1572.83 P500.2@2813,1543.67 ; v1(2829,2096) 2839,2106 P201.6@3303.15,2106
  Signal Layer 1 w6: v1(2807.09,1578.74) 2807.09,1681.85 2827.84,1702.61 2827.84,1771.23 2830.84,1774.23 2830.84,2094.16 v1(2829,2096)
FB_2V5: R225.1 R226.2 U11.8 | length 109.7
  Top Layer w6: U11.8@1518.7,2968.5 1539.37,2968.5 1547.24,2976.38 1564.96,2976.38 R225.1@1566.93,2974.41 1580.71,2974.41 1598.43,2956.69 1614.17,2956.69 R226.2@1616.14,2954.72
FB_3V3: R216.1 R217.2 U10.3 | length 114.3
  Top Layer w6: U10.3@1141.73,3592.52 1179.13,3592.52 1188.98,3582.68 R216.1@1202.76,3582.68 R217.2@1251.97,3582.68
FB_5V: R211.1 R213.2 U9.3 | length 75.6
  Top Layer w6: U9.3@1168.31,2667.32 1213.93,2667.32 R211.1@1214.25,2667.65 R213.2@1214.25,2638.12
FB_+1V5: R18.1 R20.2 U6.8 | length 105
  Top Layer w4: U6.8@1518.78,3219.25 1565.2,3219.25 R20.2@1571.85,3212.6 R18.1@1571.85,3261.81
FB_+1V8: R82.1 R83.2 U2.8 | length 88.6
  Top Layer w4: U2.8@1518.7,3468.5 R82.1@1567.91,3468.5 R83.2@1607.28,3468.5
FLEXCAN1_RX: J2.32 U3004.4 | length 641.7
  Top Layer w6: v1(2397.24,2542.91) J2.32@2397.24,2581.1
  Signal Layer 2 w6: v1(2397.24,2542.91) 2533.1,2542.91 2552.49,2523.52 2608.98,2523.52 2638.28,2494.22 2752.36,2494.22 2789.73,2531.59 2897.55,2531.59 v1(2905.51,2523.62)
  Signal Layer 1 w6: v1@2393.16,2538.83 v1(2397.24,2542.91)
  Bottom Layer w6: U3004.4@2897.64,2476.35 2897.64,2515.75 v1(2905.51,2523.62)
FLEXCAN1_TX: J2.30 U3004.1 | length 572.8
  Top Layer w6: J2.30@2381.5,2581.1 2381.4,2581.01 2381.4,2520.17 v1(2385.83,2515.75)
  Signal Layer 2 w6: v1(2385.83,2515.75) 2390.32,2520.24 2533.43,2520.24 2545.94,2507.72 2602.43,2507.72 2631.74,2478.42 2758.91,2478.42 2796.23,2515.74 v1(2814.95,2515.74)
  Bottom Layer w6: v1(2814.95,2515.74) 2820.87,2509.83 U3004.1@2820.87,2476.35
FMU-!RESET: P500.7
FMU-CH1-PROT: P304.1 P500.50 | length 1609
  Top Layer w10: v1(2340,1505) 2340.42,1505.42 P500.50@2340.42,1543.67
  Signal Layer 2 w10: P304.1@1020.47,1052.76 1021.76,1052.76 1070,1101 1247,1101 1334.65,1188.65 1334.65,1295.28 1405.51,1366.14 2106.3,1366.14 v1(2169.29,1429.13)
  Bottom Layer w10: v1(2169.29,1429.13) 2234.2,1429.13 2311.06,1506 2339,1506 v1(2340,1505)
FMU-CH2-PROT: P304.2 P500.52 | length 1569.9
  Top Layer w5.91: v1(2320,1575) 2321,1576 2321,1543.94 P500.52@2320.73,1543.67
  Signal Layer 2 w10: P304.2@1020.47,1152.76 1023.76,1152.76 1075,1204 1258,1204 1314.85,1260.85 1314.85,1303.48 1401.13,1389.76 2098.43,1389.76 v1(2122.05,1413.39) ; v1(2320,1575) v1@2321,1576
  Signal Layer 1 w10: v1(2122.05,1413.39) 2175.66,1467 2272.06,1467 2320,1514.94 v1(2320,1575)
FMU-CH3-PROT: P304.3 P500.54 | length 1429
  Top Layer w10: v1(2114.17,1437.01) 2144.32,1467.16 2272.22,1467.16 2301.05,1495.99 P500.54@2301.05,1543.67
  Signal Layer 2 w10: P304.3@1020.47,1252.76 1064.72,1297 1267,1297 1387.32,1417.32 2094.49,1417.32 v1(2114.17,1437.01)
FMU-CH4-PROT: P304.4 P500.56 | length 1395.4
  Top Layer w5.91: P500.56@2281.36,1525.11 P500.56@2281.36,1543.67
  Top Layer w10: P500.56@2281,1543.31 2281,1506 v1(2282,1505)
  Signal Layer 2 w10: P304.4@1020.47,1352.76 1022.76,1352.76 1072,1402 1344,1402 1407.35,1465.35 2265.41,1465.35 2282,1481.94 v1(2282,1505)
FMU-CH5-PROT: P304.5 P500.58 | length 1324.5
  Top Layer w10: v1(2259,1487) 2261.83,1489.83 2261.83,1543.51 P500.58@2261.68,1543.67
  Signal Layer 2 w10: P304.5@1020.47,1452.76 1022.76,1452.76 1072,1502 1314.96,1502 1331.76,1485.2 2257.2,1485.2 v1(2259,1487)
FMU-CH6-PROT: P304.6 P500.60 | length 1321.6
  Top Layer w10: v1(2241.99,1504.99) P500.60@2241.99,1543.67
  Signal Layer 2 w10: P304.6@1020.47,1552.76 1070.72,1603 1278,1603 1376,1505 v1(2241.99,1504.99)
FMU-SWCLK: P106.5 P500.3 | length 2137.2
  Top Layer w5.91: v1(2783.46,1700.78) 2794,1711.33 P500.3@2794,1753
  Signal Layer 2 w5.91: v1(2783.46,1700.78) 2787.44,1696.8 3331.94,1696.8 3340.69,1705.55 3729.17,1705.55 v1(3732.28,1708.66)
  Signal Layer 1 w5.91: v1(2783.46,1700.78) v1@2784.29,1700.78 ; v1(3486.22,844.49) 3486.22,897.64 3513.78,925.2 3562.99,925.2 3814.96,1177.17 3814.96,1590.55 3732.28,1673.23 v1(3732.28,1708.66)
  Bottom Layer w5.91: P106.5@3486.22,783.46 v1(3486.22,844.49)
FMU-SWDIO: P106.4 P500.1 | length 2094.8
  Top Layer w5.91: v1(2811.02,1712.6) 2813,1714.58 P500.1@2813,1753
  Signal Layer 2 w5.91: v1(2811.02,1712.6) 2812.88,1714.46 3693.24,1714.46 3694.24,1713.46 3707.33,1713.46 3718.33,1724.46 3751.92,1724.46 v1(3751.97,1724.41)
  Signal Layer 1 w5.91: v1(2811.02,1712.6) 2811.02,1708.98 v1@2813,1707 ; v1(3513.78,868.11) 3518.5,868.11 3826.77,1176.38 3826.77,1602.36 3751.97,1677.17 v1(3751.97,1724.41)
  Bottom Layer w5.91: P106.4@3517.72,783.46 v1@3517.72,864.17